# KiCad board first_keyboard.kicad_pcb (continued)
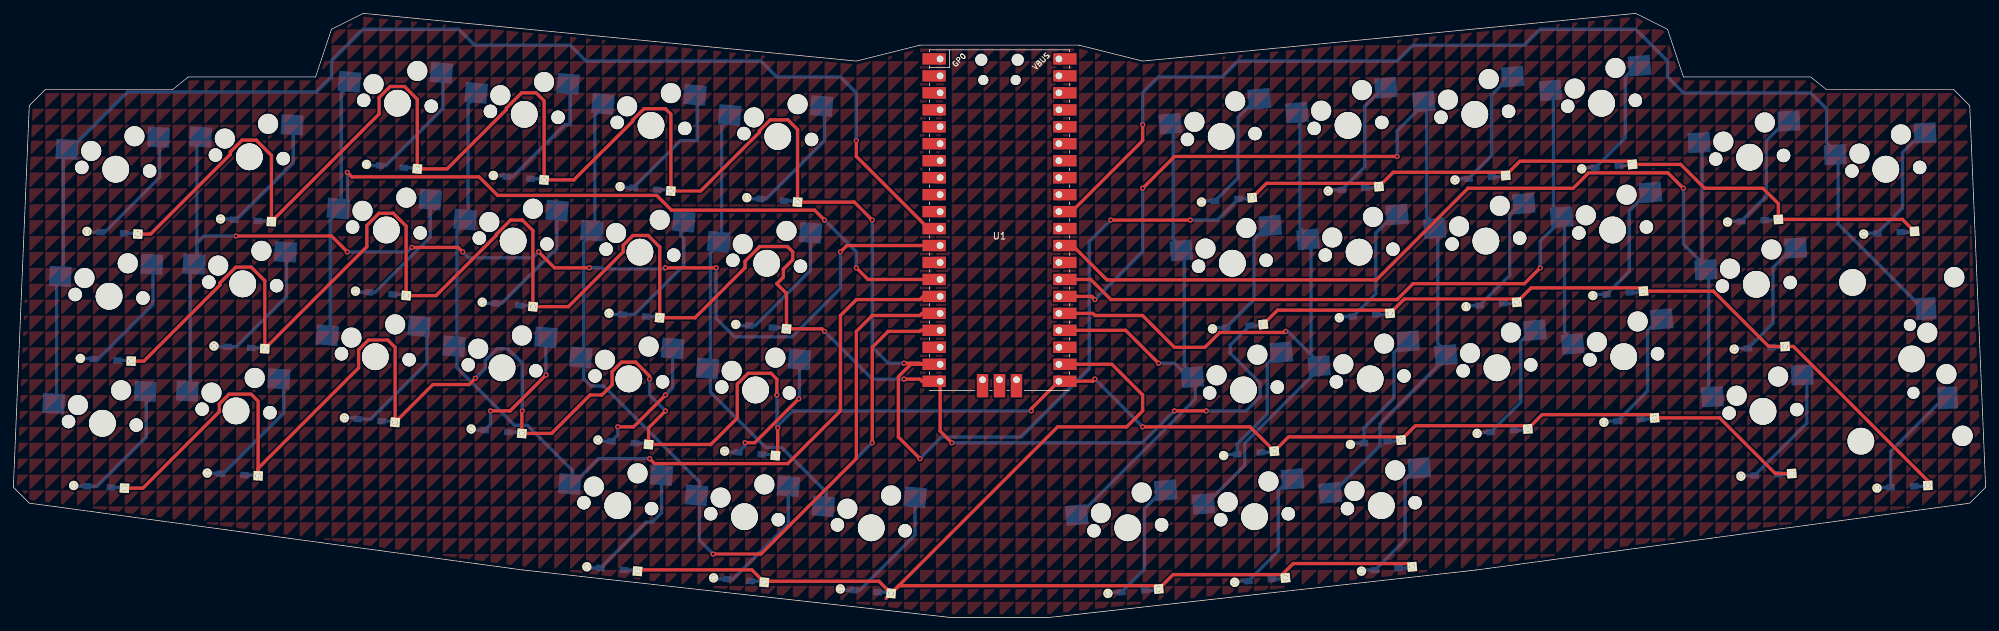
[diagram p0: board, top side]
## Copper pours and planes (outline as drawn; the poured copper is in the pictures) (continued)
(no net) on Top, Bottom: 76.2,-19.05 76.2,-21.43 78.58,-19.05
(no net) on Top, Bottom: 38.1,-4.76 38.1,-7.14 40.48,-4.76
(no net) on Top, Bottom: 64.29,102.39 64.29,100.01 66.67,102.39
(no net) on Top, Bottom: 157.16,140.49 157.16,138.11 159.54,140.49
(no net) on Top, Bottom: 247.65,-16.67 247.65,-19.05 250.03,-16.67
(no net) on Top, Bottom: 61.91,40.48 61.91,38.1 64.29,40.48
(no net) on Top, Bottom: 261.94,76.2 261.94,73.82 264.32,76.2
(no net) on Top, Bottom: 304.8,95.25 304.8,92.87 307.18,95.25
(no net) on Top, Bottom: 133.35,95.25 133.35,92.87 135.73,95.25
(no net) on Top, Bottom: 214.31,28.57 214.31,26.19 216.69,28.57
(no net) on Top, Bottom: 35.72,28.57 35.72,26.19 38.1,28.57
(no net) on Top, Bottom: 290.51,19.05 290.51,16.67 292.89,19.05
(no net) on Top, Bottom: 38.1,9.53 38.1,7.14 40.48,9.53
(no net) on Top, Bottom: 192.88,138.11 192.88,135.73 195.26,138.11
(no net) on Top, Bottom: 64.29,54.77 64.29,52.39 66.67,54.77
(no net) on Top, Bottom: 209.55,-11.91 209.55,-14.29 211.93,-11.91
(no net) on Top, Bottom: 73.82,19.05 73.82,16.67 76.2,19.05
(no net) on Top, Bottom: 188.12,23.81 188.12,21.43 190.5,23.81
(no net) on Top, Bottom: 204.79,133.35 204.79,130.97 207.17,133.35
(no net) on Top, Bottom: 145.26,-35.72 145.26,-38.1 147.64,-35.72
(no net) on Top, Bottom: 228.6,107.16 228.6,104.78 230.98,107.16
(no net) on Top, Bottom: 276.22,35.72 276.22,33.34 278.61,35.72
(no net) on Top, Bottom: 35.72,114.3 35.72,111.92 38.1,114.3
(no net) on Top, Bottom: 130.97,28.57 130.97,26.19 133.35,28.57
(no net) on Top, Bottom: 50.01,90.49 50.01,88.11 52.39,90.49
(no net) on Top, Bottom: 242.89,30.96 242.89,28.57 245.27,30.96
(no net) on Top, Bottom: 176.21,33.34 176.21,30.96 178.59,33.34
(no net) on Top, Bottom: 242.89,45.24 242.89,42.86 245.27,45.24
(no net) on Top, Bottom: 21.43,-38.1 21.43,-40.48 23.81,-38.1
(no net) on Top, Bottom: 52.39,0 52.39,-2.38 54.77,0
(no net) on Top, Bottom: 238.12,33.34 238.12,30.96 240.51,33.34
(no net) on Top, Bottom: 226.22,126.21 226.22,123.83 228.6,126.21
(no net) on Top, Bottom: 140.49,23.81 140.49,21.43 142.88,23.81
(no net) on Top, Bottom: 71.44,83.34 71.44,80.96 73.82,83.34
(no net) on Top, Bottom: 50.01,123.83 50.01,121.44 52.39,123.83
(no net) on Top, Bottom: 100.01,121.44 100.01,119.06 102.39,121.44
(no net) on Top, Bottom: 271.46,45.24 271.46,42.86 273.84,45.24
(no net) on Top, Bottom: 50.01,57.15 50.01,54.77 52.39,57.15
(no net) on Top, Bottom: 50.01,23.81 50.01,21.43 52.39,23.81
(no net) on Top, Bottom: 266.7,26.19 266.7,23.81 269.08,26.19
(no net) on Top, Bottom: 69.06,150.02 69.06,147.64 71.44,150.02
(no net) on Top, Bottom: 116.68,38.1 116.68,35.72 119.06,38.1
(no net) on Top, Bottom: 295.27,123.83 295.27,121.44 297.66,123.83
(no net) on Top, Bottom: 233.36,83.34 233.36,80.96 235.74,83.34
(no net) on Top, Bottom: 271.46,69.06 271.46,66.68 273.84,69.06
(no net) on Top, Bottom: 78.58,45.24 78.58,42.86 80.96,45.24
(no net) on Top, Bottom: 135.73,38.1 135.73,35.72 138.11,38.1
(no net) on Top, Bottom: 252.41,-9.53 252.41,-11.91 254.79,-9.53
(no net) on Top, Bottom: 128.59,69.06 128.59,66.68 130.97,69.06
(no net) on Top, Bottom: 202.41,88.11 202.41,85.72 204.79,88.11
(no net) on Top, Bottom: 54.77,-26.19 54.77,-28.57 57.15,-26.19
(no net) on Top, Bottom: 157.16,64.29 157.16,61.91 159.54,64.29
(no net) on Top, Bottom: 207.17,90.49 207.17,88.11 209.55,90.49
(no net) on Top, Bottom: 80.96,140.49 80.96,138.11 83.34,140.49
(no net) on Top, Bottom: 159.54,-30.96 159.54,-33.34 161.93,-30.96
(no net) on Top, Bottom: 264.32,102.39 264.32,100.01 266.7,102.39
(no net) on Top, Bottom: 204.79,145.26 204.79,142.88 207.17,145.26
(no net) on Top, Bottom: 290.51,78.58 290.51,76.2 292.89,78.58
(no net) on Top, Bottom: 273.84,35.72 273.84,33.34 276.22,35.72
(no net) on Top, Bottom: 300.04,-7.14 300.04,-9.53 302.42,-7.14
(no net) on Top, Bottom: 207.17,80.96 207.17,78.58 209.55,80.96
(no net) on Top, Bottom: 54.77,-11.91 54.77,-14.29 57.15,-11.91
(no net) on Top, Bottom: 78.58,28.57 78.58,26.19 80.96,28.57
(no net) on Top, Bottom: 76.2,7.14 76.2,4.76 78.58,7.14
(no net) on Top, Bottom: 26.19,128.59 26.19,126.21 28.58,128.59
(no net) on Top, Bottom: 142.88,121.44 142.88,119.06 145.26,121.44
(no net) on Top, Bottom: 128.59,50.01 128.59,47.62 130.97,50.01
(no net) on Top, Bottom: 250.03,9.53 250.03,7.14 252.41,9.53
(no net) on Top, Bottom: 269.08,28.57 269.08,26.19 271.46,28.57
(no net) on Top, Bottom: 66.67,-16.67 66.67,-19.05 69.06,-16.67
(no net) on Top, Bottom: 238.12,142.88 238.12,140.49 240.51,142.88
(no net) on Top, Bottom: 257.18,66.68 257.18,64.29 259.56,66.68
(no net) on Top, Bottom: 109.54,11.91 109.54,9.53 111.92,11.91
(no net) on Top, Bottom: 185.74,85.72 185.74,83.34 188.12,85.72
(no net) on Top, Bottom: 95.25,73.82 95.25,71.44 97.63,73.82
(no net) on Top, Bottom: 133.35,23.81 133.35,21.43 135.73,23.81
(no net) on Top, Bottom: 264.32,7.14 264.32,4.76 266.7,7.14
(no net) on Top, Bottom: 209.55,64.29 209.55,61.91 211.93,64.29
(no net) on Top, Bottom: 211.93,102.39 211.93,100.01 214.31,102.39
(no net) on Top, Bottom: 190.5,40.48 190.5,38.1 192.88,40.48
(no net) on Top, Bottom: 85.73,54.77 85.73,52.39 88.11,54.77
(no net) on Top, Bottom: 166.69,95.25 166.69,92.87 169.07,95.25
(no net) on Top, Bottom: 164.31,130.97 164.31,128.59 166.69,130.97
(no net) on Top, Bottom: 166.69,-16.67 166.69,-19.05 169.07,-16.67
(no net) on Top, Bottom: 252.41,52.39 252.41,50.01 254.79,52.39
(no net) on Top, Bottom: 114.3,133.35 114.3,130.97 116.68,133.35
(no net) on Top, Bottom: 78.58,-33.34 78.58,-35.72 80.96,-33.34
(no net) on Top, Bottom: 252.41,76.2 252.41,73.82 254.79,76.2
(no net) on Top, Bottom: 80.96,19.05 80.96,16.67 83.34,19.05
(no net) on Top, Bottom: 59.53,42.86 59.53,40.48 61.91,42.86
(no net) on Top, Bottom: 128.59,83.34 128.59,80.96 130.97,83.34
(no net) on Top, Bottom: 73.82,-28.57 73.82,-30.96 76.2,-28.57
(no net) on Top, Bottom: 159.54,119.06 159.54,116.68 161.93,119.06
(no net) on Top, Bottom: 11.91,9.53 11.91,7.14 14.29,9.53
(no net) on Top, Bottom: 259.56,111.92 259.56,109.54 261.94,111.92
(no net) on Top, Bottom: 280.99,19.05 280.99,16.67 283.37,19.05
(no net) on Top, Bottom: 257.18,-35.72 257.18,-38.1 259.56,-35.72
(no net) on Top, Bottom: 211.93,76.2 211.93,73.82 214.31,76.2
(no net) on Top, Bottom: 261.94,50.01 261.94,47.62 264.32,50.01
(no net) on Top, Bottom: 102.39,83.34 102.39,80.96 104.77,83.34
(no net) on Top, Bottom: 126.21,119.06 126.21,116.68 128.59,119.06
(no net) on Top, Bottom: 252.41,116.68 252.41,114.3 254.79,116.68
(no net) on Top, Bottom: 107.16,150.02 107.16,147.64 109.54,150.02
(no net) on Top, Bottom: 271.46,59.53 271.46,57.15 273.84,59.53
(no net) on Top, Bottom: 90.49,0 90.49,-2.38 92.87,0
(no net) on Top, Bottom: 128.59,42.86 128.59,40.48 130.97,42.86
(no net) on Top, Bottom: 140.49,88.11 140.49,85.72 142.88,88.11
(no net) on Top, Bottom: 7.14,33.34 7.14,30.96 9.53,33.34
(no net) on Top, Bottom: 211.93,78.58 211.93,76.2 214.31,78.58
(no net) on Top, Bottom: 223.84,9.53 223.84,7.14 226.22,9.53
(no net) on Top, Bottom: 273.84,150.02 273.84,147.64 276.22,150.02
(no net) on Top, Bottom: 169.07,42.86 169.07,40.48 171.45,42.86
(no net) on Top, Bottom: 166.69,85.72 166.69,83.34 169.07,85.72
(no net) on Top, Bottom: 92.87,0 92.87,-2.38 95.25,0
(no net) on Top, Bottom: 245.27,128.59 245.27,126.21 247.65,128.59
(no net) on Top, Bottom: 0,9.53 0,7.14 2.38,9.53
(no net) on Top, Bottom: 157.16,16.67 157.16,14.29 159.54,16.67
(no net) on Top, Bottom: 40.48,107.16 40.48,104.78 42.86,107.16
(no net) on Top, Bottom: 214.31,-33.34 214.31,-35.72 216.69,-33.34
(no net) on Top, Bottom: 219.07,23.81 219.07,21.43 221.46,23.81
(no net) on Top, Bottom: 283.37,-7.14 283.37,-9.53 285.75,-7.14
(no net) on Top, Bottom: 264.32,145.26 264.32,142.88 266.7,145.26
(no net) on Top, Bottom: 19.05,-7.14 19.05,-9.53 21.43,-7.14
(no net) on Top, Bottom: 40.48,9.53 40.48,7.14 42.86,9.53
(no net) on Top, Bottom: 142.88,-23.81 142.88,-26.19 145.26,-23.81
(no net) on Top, Bottom: 273.84,66.68 273.84,64.29 276.22,66.68
(no net) on Top, Bottom: 116.68,71.44 116.68,69.06 119.06,71.44
(no net) on Top, Bottom: 73.82,59.53 73.82,57.15 76.2,59.53
(no net) on Top, Bottom: 47.62,83.34 47.62,80.96 50.01,83.34
(no net) on Top, Bottom: 257.18,92.87 257.18,90.49 259.56,92.87
(no net) on Top, Bottom: 138.11,97.63 138.11,95.25 140.49,97.63
(no net) on Top, Bottom: 247.65,142.88 247.65,140.49 250.03,142.88
(no net) on Top, Bottom: 176.21,-38.1 176.21,-40.48 178.59,-38.1
(no net) on Top, Bottom: 259.56,38.1 259.56,35.72 261.94,38.1
(no net) on Top, Bottom: 83.34,-7.14 83.34,-9.53 85.73,-7.14
(no net) on Top, Bottom: 78.58,38.1 78.58,35.72 80.96,38.1
(no net) on Top, Bottom: 59.53,59.53 59.53,57.15 61.91,59.53
(no net) on Top, Bottom: 147.64,66.68 147.64,64.29 150.02,66.68
(no net) on Top, Bottom: 254.79,-7.14 254.79,-9.53 257.18,-7.14
(no net) on Top, Bottom: 116.68,123.83 116.68,121.44 119.06,123.83
(no net) on Top, Bottom: 166.69,11.91 166.69,9.53 169.07,11.91
(no net) on Top, Bottom: 238.12,116.68 238.12,114.3 240.51,116.68
(no net) on Top, Bottom: 304.8,126.21 304.8,123.83 307.18,126.21
(no net) on Top, Bottom: 109.54,-35.72 109.54,-38.1 111.92,-35.72
(no net) on Top, Bottom: 38.1,21.43 38.1,19.05 40.48,21.43
(no net) on Top, Bottom: 216.69,114.3 216.69,111.92 219.07,114.3
(no net) on Top, Bottom: 288.13,-33.34 288.13,-35.72 290.51,-33.34
(no net) on Top, Bottom: 221.46,2.38 221.46,0 223.84,2.38
(no net) on Top, Bottom: 228.6,4.76 228.6,2.38 230.98,4.76
(no net) on Top, Bottom: 97.63,66.68 97.63,64.29 100.01,66.68
(no net) on Top, Bottom: 152.4,114.3 152.4,111.92 154.78,114.3
(no net) on Top, Bottom: 211.93,142.88 211.93,140.49 214.31,142.88
(no net) on Top, Bottom: 304.8,14.29 304.8,11.91 307.18,14.29
(no net) on Top, Bottom: 297.66,38.1 297.66,35.72 300.04,38.1
(no net) on Top, Bottom: 209.55,50.01 209.55,47.62 211.93,50.01
(no net) on Top, Bottom: 216.69,78.58 216.69,76.2 219.07,78.58
(no net) on Top, Bottom: 207.17,102.39 207.17,100.01 209.55,102.39
(no net) on Top, Bottom: 42.86,61.91 42.86,59.53 45.24,61.91
(no net) on Top, Bottom: 223.84,80.96 223.84,78.58 226.22,80.96
(no net) on Top, Bottom: 295.27,-19.05 295.27,-21.43 297.66,-19.05
(no net) on Top, Bottom: 47.62,45.24 47.62,42.86 50.01,45.24
(no net) on Top, Bottom: 214.31,2.38 214.31,0 216.69,2.38
(no net) on Top, Bottom: 38.1,78.58 38.1,76.2 40.48,78.58
(no net) on Top, Bottom: 90.49,140.49 90.49,138.11 92.87,140.49
(no net) on Top, Bottom: 142.88,-38.1 142.88,-40.48 145.26,-38.1
(no net) on Top, Bottom: 130.97,9.53 130.97,7.14 133.35,9.53
(no net) on Top, Bottom: 285.75,-16.67 285.75,-19.05 288.13,-16.67
(no net) on Top, Bottom: 138.11,2.38 138.11,0 140.49,2.38
(no net) on Top, Bottom: 247.65,114.3 247.65,111.92 250.03,114.3
(no net) on Top, Bottom: 123.83,138.11 123.83,135.73 126.21,138.11
(no net) on Top, Bottom: 166.69,19.05 166.69,16.67 169.07,19.05
(no net) on Top, Bottom: 197.64,23.81 197.64,21.43 200.02,23.81
(no net) on Top, Bottom: 54.77,-30.96 54.77,-33.34 57.15,-30.96
(no net) on Top, Bottom: 302.42,47.62 302.42,45.24 304.8,47.62
(no net) on Top, Bottom: 228.6,50.01 228.6,47.62 230.98,50.01
(no net) on Top, Bottom: 242.89,57.15 242.89,54.77 245.27,57.15
(no net) on Top, Bottom: 235.74,109.54 235.74,107.16 238.12,109.54
(no net) on Top, Bottom: 278.61,-7.14 278.61,-9.53 280.99,-7.14
(no net) on Top, Bottom: 135.73,111.92 135.73,109.54 138.11,111.92
(no net) on Top, Bottom: 0,23.81 0,21.43 2.38,23.81
(no net) on Top, Bottom: 254.79,-30.96 254.79,-33.34 257.18,-30.96
(no net) on Top, Bottom: 214.31,-9.53 214.31,-11.91 216.69,-9.53
(no net) on Top, Bottom: 233.36,85.72 233.36,83.34 235.74,85.72
(no net) on Top, Bottom: 204.79,-38.1 204.79,-40.48 207.17,-38.1
(no net) on Top, Bottom: 90.49,100.01 90.49,97.63 92.87,100.01
(no net) on Top, Bottom: 173.83,107.16 173.83,104.78 176.21,107.16
(no net) on Top, Bottom: 47.62,23.81 47.62,21.43 50.01,23.81
(no net) on Top, Bottom: 23.81,2.38 23.81,0 26.19,2.38
(no net) on Top, Bottom: 83.34,-19.05 83.34,-21.43 85.73,-19.05
(no net) on Top, Bottom: 176.21,-4.76 176.21,-7.14 178.59,-4.76
(no net) on Top, Bottom: 304.8,102.39 304.8,100.01 307.18,102.39
(no net) on Top, Bottom: 202.41,2.38 202.41,0 204.79,2.38
(no net) on Top, Bottom: 19.05,66.68 19.05,64.29 21.43,66.68
(no net) on Top, Bottom: 90.49,-23.81 90.49,-26.19 92.87,-23.81
(no net) on Top, Bottom: 130.97,59.53 130.97,57.15 133.35,59.53
(no net) on Top, Bottom: 109.54,23.81 109.54,21.43 111.92,23.81
(no net) on Top, Bottom: 178.59,66.68 178.59,64.29 180.98,66.68
(no net) on Top, Bottom: 35.72,-26.19 35.72,-28.57 38.1,-26.19
(no net) on Top, Bottom: 7.14,102.39 7.14,100.01 9.53,102.39
(no net) on Top, Bottom: 188.12,52.39 188.12,50.01 190.5,52.39
(no net) on Top, Bottom: 297.66,114.3 297.66,111.92 300.04,114.3
(no net) on Top, Bottom: 304.8,19.05 304.8,16.67 307.18,19.05
(no net) on Top, Bottom: 40.48,-4.76 40.48,-7.14 42.86,-4.76
(no net) on Top, Bottom: 21.43,109.54 21.43,107.16 23.81,109.54
(no net) on Top, Bottom: 133.35,45.24 133.35,42.86 135.73,45.24
(no net) on Top, Bottom: 190.5,7.14 190.5,4.76 192.88,7.14
(no net) on Top, Bottom: 14.29,92.87 14.29,90.49 16.67,92.87
(no net) on Top, Bottom: 66.67,128.59 66.67,126.21 69.06,128.59
(no net) on Top, Bottom: 142.88,-33.34 142.88,-35.72 145.26,-33.34
(no net) on Top, Bottom: 190.5,90.49 190.5,88.11 192.88,90.49
(no net) on Top, Bottom: 59.53,92.87 59.53,90.49 61.91,92.87
(no net) on Top, Bottom: 297.66,116.68 297.66,114.3 300.04,116.68
(no net) on Top, Bottom: 288.13,9.53 288.13,7.14 290.51,9.53
(no net) on Top, Bottom: 280.99,-38.1 280.99,-40.48 283.37,-38.1
(no net) on Top, Bottom: 109.54,85.72 109.54,83.34 111.92,85.72
(no net) on Top, Bottom: 207.17,50.01 207.17,47.62 209.55,50.01
(no net) on Top, Bottom: 119.06,135.73 119.06,133.35 121.44,135.73
(no net) on Top, Bottom: 133.35,-28.57 133.35,-30.96 135.73,-28.57
(no net) on Top, Bottom: 52.39,16.67 52.39,14.29 54.77,16.67
(no net) on Top, Bottom: 135.73,-7.14 135.73,-9.53 138.11,-7.14
(no net) on Top, Bottom: 250.03,85.72 250.03,83.34 252.41,85.72
(no net) on Top, Bottom: 250.03,90.49 250.03,88.11 252.41,90.49
(no net) on Top, Bottom: 76.2,114.3 76.2,111.92 78.58,114.3
(no net) on Top, Bottom: 47.62,-2.38 47.62,-4.76 50.01,-2.38
(no net) on Top, Bottom: 271.46,73.82 271.46,71.44 273.84,73.82
(no net) on Top, Bottom: 138.11,104.78 138.11,102.39 140.49,104.78
(no net) on Top, Bottom: 183.36,100.01 183.36,97.63 185.74,100.01
(no net) on Top, Bottom: 14.29,16.67 14.29,14.29 16.67,16.67
(no net) on Top, Bottom: 171.45,78.58 171.45,76.2 173.83,78.58
(no net) on Top, Bottom: 190.5,95.25 190.5,92.87 192.88,95.25
(no net) on Top, Bottom: 169.07,57.15 169.07,54.77 171.45,57.15
(no net) on Top, Bottom: 57.15,95.25 57.15,92.87 59.53,95.25
(no net) on Top, Bottom: 78.58,-23.81 78.58,-26.19 80.96,-23.81
(no net) on Top, Bottom: 288.13,85.72 288.13,83.34 290.51,85.72
(no net) on Top, Bottom: 111.92,97.63 111.92,95.25 114.3,97.63
(no net) on Top, Bottom: 235.74,54.77 235.74,52.39 238.12,54.77
(no net) on Top, Bottom: 154.78,16.67 154.78,14.29 157.16,16.67
(no net) on Top, Bottom: 228.6,26.19 228.6,23.81 230.98,26.19
(no net) on Top, Bottom: 0,80.96 0,78.58 2.38,80.96
(no net) on Top, Bottom: 164.31,78.58 164.31,76.2 166.69,78.58
(no net) on Top, Bottom: 150.02,133.35 150.02,130.97 152.4,133.35
(no net) on Top, Bottom: 66.67,104.78 66.67,102.39 69.06,104.78
(no net) on Top, Bottom: 104.77,123.83 104.77,121.44 107.16,123.83
(no net) on Top, Bottom: 0,16.67 0,14.29 2.38,16.67
(no net) on Top, Bottom: 54.77,121.44 54.77,119.06 57.15,121.44
(no net) on Top, Bottom: 169.07,47.62 169.07,45.24 171.45,47.62
(no net) on Top, Bottom: 147.64,78.58 147.64,76.2 150.02,78.58
(no net) on Top, Bottom: 28.58,95.25 28.58,92.87 30.96,95.25
(no net) on Top, Bottom: 188.12,11.91 188.12,9.53 190.5,11.91
(no net) on Top, Bottom: 240.51,128.59 240.51,126.21 242.89,128.59
(no net) on Top, Bottom: 42.86,64.29 42.86,61.91 45.24,64.29
(no net) on Top, Bottom: 264.32,-26.19 264.32,-28.57 266.7,-26.19
(no net) on Top, Bottom: 235.74,-2.38 235.74,-4.76 238.12,-2.38
(no net) on Top, Bottom: 50.01,-21.43 50.01,-23.81 52.39,-21.43
(no net) on Top, Bottom: 35.72,-21.43 35.72,-23.81 38.1,-21.43
(no net) on Top, Bottom: 159.54,76.2 159.54,73.82 161.93,76.2
(no net) on Top, Bottom: 192.88,133.35 192.88,130.97 195.26,133.35
(no net) on Top, Bottom: 40.48,100.01 40.48,97.63 42.86,100.01
(no net) on Top, Bottom: 185.74,-38.1 185.74,-40.48 188.12,-38.1
(no net) on Top, Bottom: 292.89,133.35 292.89,130.97 295.27,133.35
(no net) on Top, Bottom: 88.11,73.82 88.11,71.44 90.49,73.82
(no net) on Top, Bottom: 192.88,126.21 192.88,123.83 195.26,126.21
(no net) on Top, Bottom: 116.68,21.43 116.68,19.05 119.06,21.43
(no net) on Top, Bottom: 247.65,23.81 247.65,21.43 250.03,23.81
(no net) on Top, Bottom: 283.37,100.01 283.37,97.63 285.75,100.01
(no net) on Top, Bottom: 288.13,116.68 288.13,114.3 290.51,116.68
(no net) on Top, Bottom: 157.16,109.54 157.16,107.16 159.54,109.54
(no net) on Top, Bottom: 178.59,147.64 178.59,145.26 180.98,147.64
(no net) on Top, Bottom: 23.81,45.24 23.81,42.86 26.19,45.24
(no net) on Top, Bottom: 26.19,109.54 26.19,107.16 28.58,109.54
(no net) on Top, Bottom: 142.88,11.91 142.88,9.53 145.26,11.91
(no net) on Top, Bottom: 40.48,90.49 40.48,88.11 42.86,90.49
(no net) on Top, Bottom: 119.06,-30.96 119.06,-33.34 121.44,-30.96
(no net) on Top, Bottom: 80.96,71.44 80.96,69.06 83.34,71.44
(no net) on Top, Bottom: 116.68,40.48 116.68,38.1 119.06,40.48
(no net) on Top, Bottom: 4.76,30.96 4.76,28.57 7.14,30.96
(no net) on Top, Bottom: 245.27,107.16 245.27,104.78 247.65,107.16
(no net) on Top, Bottom: 188.12,9.53 188.12,7.14 190.5,9.53
(no net) on Top, Bottom: 233.36,138.11 233.36,135.73 235.74,138.11
(no net) on Top, Bottom: 292.89,-23.81 292.89,-26.19 295.27,-23.81
(no net) on Top, Bottom: 233.36,140.49 233.36,138.11 235.74,140.49
(no net) on Top, Bottom: 176.21,14.29 176.21,11.91 178.59,14.29
(no net) on Top, Bottom: 154.78,95.25 154.78,92.87 157.16,95.25
(no net) on Top, Bottom: 207.17,2.38 207.17,0 209.55,2.38
(no net) on Top, Bottom: 71.44,64.29 71.44,61.91 73.82,64.29
(no net) on Top, Bottom: 304.8,111.92 304.8,109.54 307.18,111.92
(no net) on Top, Bottom: 169.07,30.96 169.07,28.57 171.45,30.96
(no net) on Top, Bottom: 61.91,21.43 61.91,19.05 64.29,21.43
(no net) on Top, Bottom: 211.93,47.62 211.93,45.24 214.31,47.62
(no net) on Top, Bottom: 300.04,76.2 300.04,73.82 302.42,76.2
(no net) on Top, Bottom: 97.63,-33.34 97.63,-35.72 100.01,-33.34
(no net) on Top, Bottom: 180.98,66.68 180.98,64.29 183.36,66.68
(no net) on Top, Bottom: 161.93,-14.29 161.93,-16.67 164.31,-14.29
(no net) on Top, Bottom: 261.94,11.91 261.94,9.53 264.32,11.91
(no net) on Top, Bottom: 211.93,54.77 211.93,52.39 214.31,54.77
(no net) on Top, Bottom: 200.02,-9.53 200.02,-11.91 202.41,-9.53
(no net) on Top, Bottom: 161.93,126.21 161.93,123.83 164.31,126.21
(no net) on Top, Bottom: 150.02,33.34 150.02,30.96 152.4,33.34
(no net) on Top, Bottom: 188.12,-7.14 188.12,-9.53 190.5,-7.14
(no net) on Top, Bottom: 257.18,128.59 257.18,126.21 259.56,128.59
(no net) on Top, Bottom: 261.94,109.54 261.94,107.16 264.32,109.54
(no net) on Top, Bottom: 266.7,16.67 266.7,14.29 269.08,16.67
(no net) on Top, Bottom: 100.01,23.81 100.01,21.43 102.39,23.81
(no net) on Top, Bottom: 254.79,14.29 254.79,11.91 257.18,14.29
(no net) on Top, Bottom: 254.79,-38.1 254.79,-40.48 257.18,-38.1
(no net) on Top, Bottom: 235.74,47.62 235.74,45.24 238.12,47.62
(no net) on Top, Bottom: 97.63,2.38 97.63,0 100.01,2.38
(no net) on Top, Bottom: 271.46,-2.38 271.46,-4.76 273.84,-2.38
(no net) on Top, Bottom: 295.27,-38.1 295.27,-40.48 297.66,-38.1
(no net) on Top, Bottom: 52.39,7.14 52.39,4.76 54.77,7.14
(no net) on Top, Bottom: 59.53,123.83 59.53,121.44 61.91,123.83
(no net) on Top, Bottom: 100.01,85.72 100.01,83.34 102.39,85.72
(no net) on Top, Bottom: 57.15,83.34 57.15,80.96 59.53,83.34
(no net) on Top, Bottom: 42.86,57.15 42.86,54.77 45.24,57.15
(no net) on Top, Bottom: 233.36,2.38 233.36,0 235.74,2.38
(no net) on Top, Bottom: 73.82,-38.1 73.82,-40.48 76.2,-38.1
(no net) on Top, Bottom: 30.96,-11.91 30.96,-14.29 33.34,-11.91
(no net) on Top, Bottom: 302.42,21.43 302.42,19.05 304.8,21.43
(no net) on Top, Bottom: 23.81,7.14 23.81,4.76 26.19,7.14
(no net) on Top, Bottom: 71.44,-2.38 71.44,-4.76 73.82,-2.38
(no net) on Top, Bottom: 254.79,128.59 254.79,126.21 257.18,128.59
(no net) on Top, Bottom: 130.97,47.62 130.97,45.24 133.35,47.62
(no net) on Top, Bottom: 7.14,54.77 7.14,52.39 9.53,54.77
(no net) on Top, Bottom: 240.51,135.73 240.51,133.35 242.89,135.73
(no net) on Top, Bottom: 57.15,33.34 57.15,30.96 59.53,33.34
(no net) on Top, Bottom: 85.73,4.76 85.73,2.38 88.11,4.76
(no net) on Top, Bottom: 9.53,78.58 9.53,76.2 11.91,78.58
(no net) on Top, Bottom: 297.66,147.64 297.66,145.26 300.04,147.64
(no net) on Top, Bottom: 154.78,59.53 154.78,57.15 157.16,59.53
(no net) on Top, Bottom: 204.79,-16.67 204.79,-19.05 207.17,-16.67
(no net) on Top, Bottom: 47.62,69.06 47.62,66.68 50.01,69.06
(no net) on Top, Bottom: 14.29,71.44 14.29,69.06 16.67,71.44
(no net) on Top, Bottom: 78.58,150.02 78.58,147.64 80.96,150.02
(no net) on Top, Bottom: 180.98,150.02 180.98,147.64 183.36,150.02
(no net) on Top, Bottom: 90.49,92.87 90.49,90.49 92.87,92.87
(no net) on Top, Bottom: 250.03,64.29 250.03,61.91 252.41,64.29
(no net) on Top, Bottom: 288.13,76.2 288.13,73.82 290.51,76.2
(no net) on Top, Bottom: 209.55,-38.1 209.55,-40.48 211.93,-38.1
(no net) on Top, Bottom: 73.82,16.67 73.82,14.29 76.2,16.67
(no net) on Top, Bottom: 47.62,114.3 47.62,111.92 50.01,114.3
(no net) on Top, Bottom: 180.98,33.34 180.98,30.96 183.36,33.34
(no net) on Top, Bottom: 85.73,52.39 85.73,50.01 88.11,52.39
(no net) on Top, Bottom: 266.7,126.21 266.7,123.83 269.08,126.21
(no net) on Top, Bottom: 269.08,-33.34 269.08,-35.72 271.46,-33.34
(no net) on Top, Bottom: 114.3,-2.38 114.3,-4.76 116.68,-2.38
(no net) on Top, Bottom: 200.02,109.54 200.02,107.16 202.41,109.54
(no net) on Top, Bottom: 42.86,142.88 42.86,140.49 45.24,142.88
(no net) on Top, Bottom: 7.14,47.62 7.14,45.24 9.53,47.62
(no net) on Top, Bottom: 238.12,23.81 238.12,21.43 240.51,23.81
(no net) on Top, Bottom: 278.61,111.92 278.61,109.54 280.99,111.92
(no net) on Top, Bottom: 188.12,123.83 188.12,121.44 190.5,123.83
(no net) on Top, Bottom: 230.98,83.34 230.98,80.96 233.36,83.34
(no net) on Top, Bottom: 285.75,45.24 285.75,42.86 288.13,45.24
(no net) on Top, Bottom: 173.83,-11.91 173.83,-14.29 176.21,-11.91
(no net) on Top, Bottom: 180.98,95.25 180.98,92.87 183.36,95.25
(no net) on Top, Bottom: 100.01,-7.14 100.01,-9.53 102.39,-7.14
(no net) on Top, Bottom: 176.21,66.68 176.21,64.29 178.59,66.68
(no net) on Top, Bottom: 76.2,59.53 76.2,57.15 78.58,59.53
(no net) on Top, Bottom: 223.84,88.11 223.84,85.72 226.22,88.11
(no net) on Top, Bottom: 135.73,140.49 135.73,138.11 138.11,140.49
(no net) on Top, Bottom: 247.65,2.38 247.65,0 250.03,2.38
(no net) on Top, Bottom: 164.31,-26.19 164.31,-28.57 166.69,-26.19
(no net) on Top, Bottom: 276.22,145.26 276.22,142.88 278.61,145.26
(no net) on Top, Bottom: 100.01,119.06 100.01,116.68 102.39,119.06
(no net) on Top, Bottom: 295.27,140.49 295.27,138.11 297.66,140.49
(no net) on Top, Bottom: 28.58,66.68 28.58,64.29 30.96,66.68
(no net) on Top, Bottom: 45.24,-21.43 45.24,-23.81 47.62,-21.43
(no net) on Top, Bottom: 133.35,59.53 133.35,57.15 135.73,59.53
(no net) on Top, Bottom: 235.74,147.64 235.74,145.26 238.12,147.64
(no net) on Top, Bottom: 95.25,26.19 95.25,23.81 97.63,26.19
(no net) on Top, Bottom: 19.05,21.43 19.05,19.05 21.43,21.43
(no net) on Top, Bottom: 252.41,-26.19 252.41,-28.57 254.79,-26.19
(no net) on Top, Bottom: 150.02,97.63 150.02,95.25 152.4,97.63
(no net) on Top, Bottom: 50.01,14.29 50.01,11.91 52.39,14.29
(no net) on Top, Bottom: 119.06,-9.53 119.06,-11.91 121.44,-9.53
(no net) on Top, Bottom: 64.29,40.48 64.29,38.1 66.67,40.48
(no net) on Top, Bottom: 147.64,30.96 147.64,28.57 150.02,30.96
(no net) on Top, Bottom: 211.93,57.15 211.93,54.77 214.31,57.15
(no net) on Top, Bottom: 190.5,85.72 190.5,83.34 192.88,85.72
(no net) on Top, Bottom: 71.44,138.11 71.44,135.73 73.82,138.11
(no net) on Top, Bottom: 47.62,95.25 47.62,92.87 50.01,95.25
(no net) on Top, Bottom: 190.5,-4.76 190.5,-7.14 192.88,-4.76
(no net) on Top, Bottom: 90.49,133.35 90.49,130.97 92.87,133.35
(no net) on Top, Bottom: 152.4,90.49 152.4,88.11 154.78,90.49
(no net) on Top, Bottom: 16.67,107.16 16.67,104.78 19.05,107.16
(no net) on Top, Bottom: 100.01,45.24 100.01,42.86 102.39,45.24
(no net) on Top, Bottom: 42.86,28.57 42.86,26.19 45.24,28.57
(no net) on Top, Bottom: 192.88,92.87 192.88,90.49 195.26,92.87
(no net) on Top, Bottom: 40.48,71.44 40.48,69.06 42.86,71.44
(no net) on Top, Bottom: 40.48,126.21 40.48,123.83 42.86,126.21
(no net) on Top, Bottom: 207.17,135.73 207.17,133.35 209.55,135.73
(no net) on Top, Bottom: 250.03,102.39 250.03,100.01 252.41,102.39
(no net) on Top, Bottom: 138.11,123.83 138.11,121.44 140.49,123.83
(no net) on Top, Bottom: 297.66,69.06 297.66,66.68 300.04,69.06
